# Altium PCB HIVE_BOARD.PcbDoc (part 5 of 9)
Units mil, origin at the board's own origin, x right, y up, seen from the top; angles counter-clockwise.
Board outline 4330.71 x 4330.71 mil, 8 copper layers (Top, GND_1, Signal_1, GND_2, PWR, Signal_2, GND_3, Bottom), stack 62.994 mil thick; 660 components, 468 nets, 2497 pads, 1806 vias.
Unrouted connection lines stored in the file: 30.
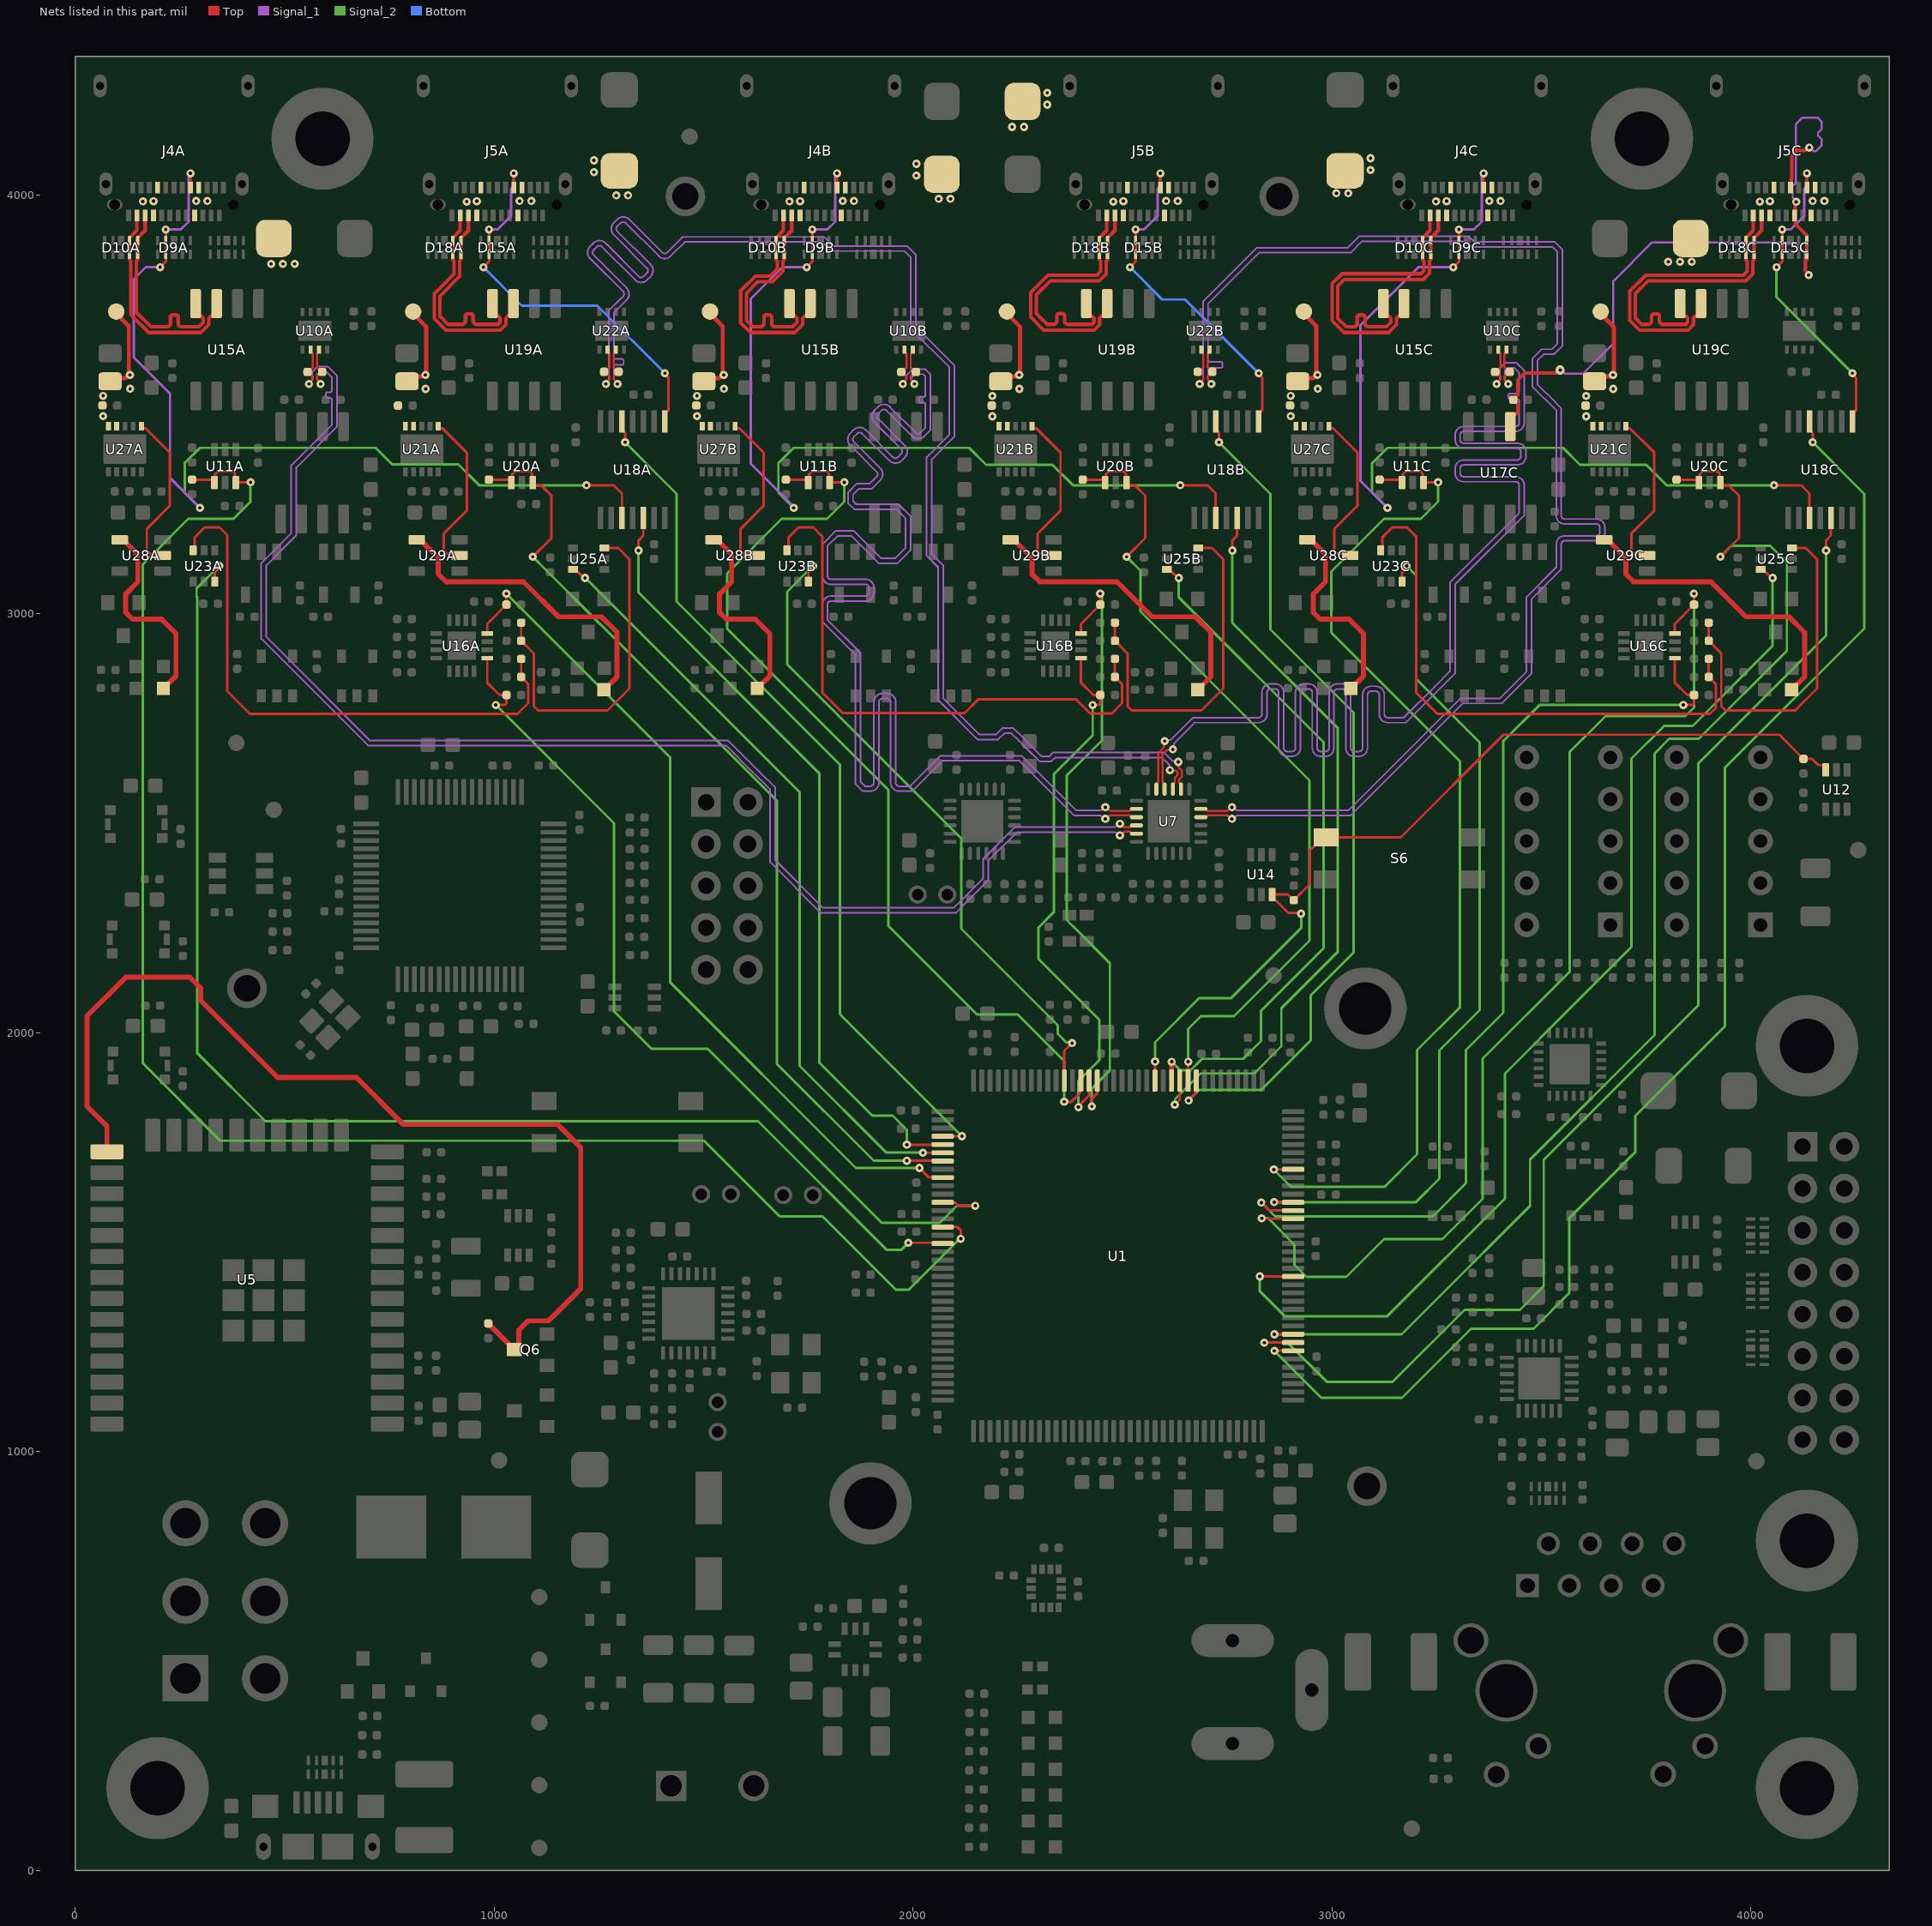
[diagram p11: the nets of this part, all layers, seen from the top]

## Via types
v1: diameter 19.68, hole 7.87, Top to Bottom, tented both sides, 1753 vias
v2: diameter 19.68, hole 7.87, Top to Bottom, 41 vias
v3: diameter 21.65, hole 7.87, Top to Bottom, tented both sides, 7 vias
v4: diameter 19.68, hole 7.87, Top to Bottom, tented bottom, 5 vias

## Nets (pads, with @x,y where several pads share a name; then routed paths per layer and width w, separated by ;. In a path a pad name is that pad's centre, name@x,y a point inside that pad or via, vN(x,y) a via of type N, cw(c..) or ccw(c..) an arc to the next point about the centre after c; other vN are vias at no path point) (continued)
BB_SPI_MISO_1C_P: D15C.1 D15C.10 J5C.A6 J5C.B6 R103C.1 U17C.2 | length 1809
  Top w8.5: U17C.2@3425.58,3446.52 3425.58,3468.18 3434.13,3476.72 3438.85,3476.72 3443.83,3481.7 3443.83,3499.69 R103C.1@3432.91,3510.59 3443.66,3521.31 3443.66,3557.72 3460.5,3574.55 3534.27,3574.55 3541.35,3581.63 v3(3544.91,3581.63) ; J5C.B6@4094.49,4017.32 4096.14,4018.97 4096.14,4037 4097.58,4038.44 4097.58,4066.7 4097.39,4066.88 4097.39,4092.51 4110.28,4105.4 4128.81,4105.4 4135.89,4112.47 v1(4139.45,4112.47) ; v1(4108.31,3983) 4105.99,3980.68 4105.99,3952.04 J5C.A6@4104.33,3950.39 4105.97,3948.75 4105.97,3930.64 4133.85,3902.75 D15C.10@4133.86,3857.58 ; 4133.85,3844.58 D15C.10@4133.86,3857.58 ; v1@4137.84,3811.8 4130.76,3818.87 4130.76,3833.71 4130.76,3841.78 4133.54,3844.56 4133.54,3857.27 D15C.10@4133.86,3857.58
  Signal_1 w5: v3(3544.91,3581.63) 3547.59,3581.63 3556.16,3573.05 3599.79,3573.05 3671.81,3645.07 3671.81,3793.69 3764.41,3886.29 4102.14,3886.29 4129.26,3859.17 4129.26,3818.51 4137.84,3809.93 v1(4137.84,3808.24) ; v1(4108.31,3983) 4108.31,3984.7 4099.74,3993.28 4099.74,4020.12 4107.28,4027.66 4107.28,4168.37 4123.21,4184.3 4158.83,4184.3 4169.28,4173.86 4169.28,4156.36 4164.78,4151.86 4164.72,4151.86 4160.22,4147.36 4160.22,4141.36 4164.72,4136.86 4164.78,4136.86 4169.28,4132.36 4169.28,4117.78 4155.4,4103.9 4149.72,4103.9 4141.14,4112.47 v1(4139.45,4112.47)
BB_SPI_MOSI_0A_N: D10A.1 D10A.10 J4A.A10 U15A.8 | length 517.8
  Top w8.5: J4A.A10@167.31,3950.38 167.31,3914.72 149.61,3897.01 D10A.1@149.61,3890.45 D10A.10@149.61,3857.58 149.29,3857.27 149.29,3844.55 146.51,3841.77 146.51,3719.34 181.1,3684.75 188.97,3684.75 219.23,3684.75 ccw(c219.23,3693.25) 227.73,3693.25 227.73,3707.6 cw(c233.28,3707.6) 233.28,3713.15 240.68,3713.15 cw(c240.68,3707.6) 246.23,3707.6 246.23,3693.25 ccw(c254.73,3693.25) 254.73,3684.75 277.48,3684.75 295.35,3684.75 306.07,3695.48 306.07,3705.07 301.09,3710.05 296.37,3710.05 287.82,3718.6 U15A.8@287.82,3740.25
BB_SPI_MOSI_0A_P: D10A.2 D10A.9 J4A.A11 U15A.7 | length 517.8
  Top w8.5: J4A.A11@147.63,3950.38 147.63,3914.72 129.92,3897.01 D10A.2@129.92,3890.45 D10A.9@129.92,3857.58 130.23,3857.27 130.23,3844.55 133.01,3841.77 133.01,3713.74 175.51,3671.25 300.94,3671.25 319.57,3689.88 319.57,3705.07 324.55,3710.05 329.28,3710.05 337.82,3718.6 U15A.7@337.82,3740.25
BB_SPI_MOSI_0B_N: D10B.1 D10B.10 J4B.A10 U15B.8 | length 547.6
  Top w8.5: U15B.8@1705.15,3740.25 1705.15,3718.6 1713.69,3710.05 1718.42,3710.05 1723.4,3705.07 1723.4,3695.48 1712.67,3684.75 1694.02,3684.75 1671.27,3684.75 cw(c1671.27,3693.25) 1662.77,3693.25 1662.77,3707.6 ccw(c1657.22,3707.6) 1657.22,3713.15 1649.82,3713.15 ccw(c1649.82,3707.6) 1644.27,3707.6 1644.27,3693.25 cw(c1635.77,3693.25) 1635.77,3684.75 1617.61,3684.75 1602.39,3699.97 1602.39,3765.03 1629.51,3792.15 1664.93,3792.15 1689.82,3817.04 1689.82,3841.79 1692.6,3844.57 1692.6,3857.28 1692.92,3857.59 1692.92,3897.03 1710.63,3914.74 J4B.A10@1710.63,3950.4
BB_SPI_MOSI_0B_P: D10B.2 D10B.9 J4B.A11 U15B.7 | length 547.6
  Top w8.5: J4B.A11@1690.94,3950.4 1690.94,3914.74 1673.23,3897.03 1673.23,3857.59 1673.54,3857.28 1673.54,3844.57 1676.32,3841.79 1676.32,3822.64 1659.34,3805.65 1623.92,3805.65 1588.89,3770.62 1588.89,3694.38 1612.02,3671.25 1718.26,3671.25 1736.9,3689.88 1736.9,3705.07 1741.88,3710.05 1746.6,3710.05 1755.15,3718.6 U15B.7@1755.15,3740.25
BB_SPI_MOSI_0C_N: D10C.1 D10C.10 J4C.A10 U15C.8 | length 694.5
  Top w8.5: U15C.8@3122.47,3740.25 3122.47,3718.6 3131.01,3710.05 3135.74,3710.05 3140.72,3705.07 3140.72,3695.48 3130,3684.75 3110.33,3684.75 3087.58,3684.75 cw(c3087.58,3693.25) 3079.08,3693.25 3079.08,3707.6 ccw(c3073.53,3707.6) 3073.53,3713.15 3066.13,3713.15 ccw(c3066.13,3707.6) 3060.58,3707.6 3060.58,3693.25 cw(c3052.08,3693.25) 3052.08,3684.75 3034.04,3684.75 3014.24,3704.55 3014.24,3782.49 3029.63,3797.88 3218.12,3797.88 3233.13,3812.9 3233.13,3841.78 3235.91,3844.56 3235.91,3857.27 D10C.10@3236.22,3857.58 3236.23,3897.02 3253.94,3914.73 J4C.A10@3253.94,3950.39
BB_SPI_MOSI_0C_P: D10C.2 D10C.9 J4C.A11 U15C.7 | length 694.5
  Top w8.5: U15C.7@3172.47,3740.25 3172.47,3718.6 3163.92,3710.05 3159.2,3710.05 3154.22,3705.07 3154.22,3689.88 3135.59,3671.25 3028.45,3671.25 3000.74,3698.96 3000.74,3788.08 3024.04,3811.38 3212.52,3811.38 3219.63,3818.49 3219.63,3841.78 3216.85,3844.56 3216.85,3857.27 D10C.9@3216.54,3857.58 3216.54,3897.02 3234.25,3914.73 J4C.A11@3234.25,3950.39
BB_SPI_MOSI_1A_N: D18A.1 D18A.10 J5A.A10 U19A.8 | length 509.4
  Top w8.5: D18A.1@920.95,3890.77 D18A.1@921.26,3890.45 D18A.10@921.26,3857.58 920.95,3857.27 920.95,3844.55 918.17,3841.77 918.17,3805.32 870.72,3757.88 870.72,3710.2 890.43,3690.5 897.68,3690.5 923.31,3690.5 ccw(c923.31,3699) 931.81,3699 931.81,3709.84 cw(c937.36,3709.84) 937.36,3715.39 944.76,3715.39 cw(c944.76,3709.84) 950.31,3709.84 950.31,3699 ccw(c958.81,3699) 958.81,3690.5 981.56,3690.5 1009.76,3690.5 1014.74,3695.48 1014.74,3705.07 1009.76,3710.05 1005.03,3710.05 996.49,3718.6 U19A.8@996.49,3740.25 ; D18A.1@921.26,3897.01 938.97,3914.72 J5A.A10@938.97,3950.38
BB_SPI_MOSI_1A_P: D18A.2 D18A.9 J5A.A11 U19A.7 | length 509.4
  Top w8.5: D18A.9@901.57,3857.58 D18A.2@901.57,3890.45 D18A.2@901.89,3890.77 ; D18A.2@901.58,3897.01 919.28,3914.72 J5A.A11@919.28,3950.38 ; D18A.9@901.89,3850.71 901.89,3844.55 904.67,3841.77 904.67,3810.92 857.22,3763.47 857.22,3704.61 884.84,3677 1015.35,3677 1028.24,3689.88 1028.24,3705.07 1033.21,3710.05 1037.94,3710.05 1046.49,3718.6 U19A.7@1046.49,3740.25
BB_SPI_MOSI_1B_N: D18B.1 D18B.10 J5B.A10 U19B.8 | length 618.8
  Top w8.5: U19B.8@2413.81,3740.25 2413.81,3718.6 2422.35,3710.05 2427.08,3710.05 2432.06,3705.07 2432.06,3695.48 2427.08,3690.5 2393.19,3690.5 2370.44,3690.5 cw(c2370.44,3699) 2361.94,3699 2361.94,3710.69 ccw(c2356.39,3710.69) 2356.39,3716.24 2348.99,3716.24 ccw(c2348.99,3710.69) 2343.44,3710.69 2343.44,3699 cw(c2334.94,3699) 2334.94,3690.5 2320.66,3690.5 2305.29,3705.87 2294.55,3716.61 2294.55,3761.2 2327.97,3794.62 2444.82,3794.62 2461.48,3811.28 2461.48,3841.79 2464.26,3844.57 2464.26,3857.28 2464.57,3857.59 2464.57,3890.47 D18B.1@2464.26,3890.78 ; D18B.1@2464.57,3897.03 2482.28,3914.74 J5B.A10@2482.28,3950.4
BB_SPI_MOSI_1B_P: D18B.2 D18B.9 J5B.A11 U19B.7 | length 618.8
  Top w8.5: D18B.9@2444.88,3857.59 D18B.2@2444.88,3890.45 D18B.2@2445.2,3890.78 ; D18B.2@2444.89,3897.03 2462.6,3914.74 J5B.A11@2462.6,3950.4 ; D18B.9@2445.2,3850.72 2445.2,3844.57 2447.98,3841.79 2447.98,3816.87 2439.23,3808.12 2322.38,3808.12 2281.05,3766.79 2281.05,3708.11 2312.16,3677 2432.67,3677 2445.56,3689.88 2445.56,3705.07 2450.54,3710.05 2455.26,3710.05 2463.81,3718.6 U19B.7@2463.81,3740.25
BB_SPI_MOSI_1C_N: D18C.1 D18C.10 J5C.A10 U19C.8 | length 726
  Top w8.5: U19C.8@3831.13,3740.25 3831.13,3718.6 3839.68,3710.05 3844.4,3710.05 3849.38,3705.07 3849.38,3695.48 3844.4,3690.5 3813.08,3690.5 3790.33,3690.5 cw(c3790.33,3699) 3781.83,3699 3781.83,3709.84 ccw(c3776.28,3709.84) 3776.28,3715.39 3768.88,3715.39 ccw(c3768.88,3709.84) 3763.33,3709.84 3763.33,3699 cw(c3754.83,3699) 3754.83,3690.5 3739.87,3690.5 3724.45,3705.91 3724.45,3764.23 3754.84,3794.61 3988.13,3794.61 4004.79,3811.27 4004.79,3841.78 4007.57,3844.56 4007.57,3857.27 D18C.10@4007.87,3857.58 D18C.1@4007.87,3890.45 D18C.1@4007.57,3890.77 ; D18C.1@4007.88,3897.02 4025.59,3914.73 J5C.A10@4025.59,3950.39
BB_SPI_MOSI_1C_P: D18C.2 D18C.9 J5C.A11 U19C.7 | length 726
  Top w8.5: U19C.7@3881.13,3740.25 3881.13,3718.6 3872.59,3710.05 3867.86,3710.05 3862.88,3705.07 3862.88,3689.88 3849.99,3677 3734.28,3677 3710.95,3700.32 3710.95,3769.82 3749.25,3808.11 3982.54,3808.11 3991.29,3816.86 3991.29,3841.78 3988.51,3844.56 D18C.9@3988.51,3850.71 ; D18C.9@3988.19,3857.58 D18C.2@3988.19,3890.45 D18C.2@3988.51,3890.77 ; D18C.2@3988.2,3897.02 4005.91,3914.73 J5C.A11@4005.91,3950.39
BB_SPI_nCS_0A: D9A.4 D9A.7 J4A.B8 U18A.3 | length 2278.7
  Top w6: v1(203,3827) 216.52,3840.52 D9A.7@216.52,3857.58 D9A.4@216.52,3890.45 v1(216.52,3917.13) ; J4A.B8@275.58,4017.31 v1(275.58,4051.07) ; v1(1220.66,3306.61) 1285.39,3306.61 1305.31,3286.69 U18A.3@1305.31,3228.34
  Signal_1 w6: v1(203,3827) 168.7,3827 140.12,3798.41 140.12,3611.88 226.57,3525.43 226.57,3324.17 v1(298.04,3252.7) ; v1(216.52,3917.13) 252.16,3917.13 271,3935.96 271,4042.79 275.58,4047.37 v1(275.58,4051.07)
  Signal_2 w6: v1(298.04,3252.7) 261.58,3289.17 261.58,3359.25 298.15,3395.82 717.14,3395.82 756.6,3356.37 914.73,3356.37 964.5,3306.61 v1(1220.66,3306.61)
BB_SPI_nCS_0B: D9B.4 D9B.7 J4B.B8 U18B.3 | length 2298.7
  Top w6: v1(1746.31,3827.01) 1759.83,3840.54 v1(1759.83,3917.14) ; J4B.B8@1818.89,4017.33 v1(1818.89,4051.08) ; v1(2637.99,3306.61) 2702.71,3306.61 2722.63,3286.69 U18B.3@2722.63,3228.34
  Signal_1 w6: v1(1715.36,3252.7) 1715.36,3255.64 1612.94,3358.06 1612.94,3751.46 1688.49,3827.01 v1(1746.31,3827.01) ; v1(1759.83,3917.14) 1795.47,3917.14 1814.31,3935.98 1814.31,4042.8 1818.89,4047.38 v1(1818.89,4051.08)
  Signal_2 w6: v1(1715.36,3252.7) 1678.9,3289.17 1678.9,3359.25 1715.47,3395.82 2134.47,3395.82 2174.62,3355.67 2332.76,3355.67 2381.82,3306.61 v1(2637.99,3306.61)
BB_SPI_nCS_0C: D9C.4 D9C.7 J4C.B8 U18C.3 | length 2334.4
  Top w6: v1(3289.62,3827) 3303.14,3840.53 v1(3303.14,3917.13) ; J4C.B8@3362.2,4017.32 v1(3362.2,4051.07) ; v1(4055.31,3306.61) 4120.04,3306.61 4139.95,3286.69 U18C.3@4139.95,3228.34
  Signal_1 w6: v1(3132.69,3252.7) 3067.83,3317.56 3067.83,3688.08 3206.75,3827 v1(3289.62,3827) ; v1(3303.14,3917.13) 3338.78,3917.13 3357.62,3935.97 3357.62,4042.79 3362.2,4047.37 v1(3362.2,4051.07)
  Signal_2 w6: v1(3132.69,3252.7) 3096.22,3289.17 3096.22,3359.25 3132.8,3395.82 3551.79,3395.82 3591.99,3355.62 3750.13,3355.62 3799.14,3306.61 v1(4055.31,3306.61)
BB_SPI_nCS_1A: D15A.4 D15A.7 J5A.B8 U18A.8 | length 961.7
  Top w6: v1(974.66,3827) 988.19,3840.52 D15A.7@988.19,3857.58 v1(988.18,3917.13) ; J5A.B8@1047.24,4017.31 v1(1047.23,4051.07) ; U18A.8@1407.67,3458.65 1407.67,3478.34 1411.56,3482.23 1413.21,3482.23 1416.72,3485.74 1416.72,3562.66 1408,3571.38 v1(1408,3574)
  Signal_1 w6: v1(988.18,3917.13) 1008.73,3917.13 1041,3949.4 1041,4013.88 1047.23,4020.11 v1(1047.23,4051.07)
  Bottom w6: v1(974.66,3827) 1066.3,3735.36 1246.64,3735.36 v1(1408,3574)
BB_SPI_nCS_1B: D15B.4 D15B.7 J5B.B8 U18B.8 | length 835.8
  Top w6: v1(2517.97,3827.01) 2531.5,3840.54 D15B.7@2531.5,3857.59 ; D15B.7@2531.49,3857.59 v1(2531.49,3917.14) ; J5B.B8@2590.55,4017.33 v1(2590.54,4051.08) ; U18B.8@2824.99,3458.65 2824.99,3478.34 2828.88,3482.23 2830.53,3482.23 2834.05,3485.74 2834.05,3562.66 2825.32,3571.38 v1(2825.32,3574)
  Signal_1 w6: v1(2531.49,3917.14) 2552.04,3917.14 2584.31,3949.41 2584.31,4013.89 2590.54,4020.13 v1(2590.54,4051.08)
  Bottom w6: v1(2517.97,3827.01) 2595,3749.99 2649.33,3749.99 v1(2825.32,3574)
BB_SPI_nCS_1C: D15C.4 D15C.7 J5C.B8 U18C.8 | length 751.7
  Top w6: v1(4061.29,3827) 4074.81,3840.53 D15C.7@4074.8,3857.58 v1(4074.8,3917.13) ; J5C.B8@4133.86,4017.32 v1(4133.85,4051.07) ; U18C.8@4242.32,3458.65 4242.32,3478.34 4246.21,3482.23 4247.85,3482.23 4251.37,3485.74 4251.37,3562.66 4242.65,3571.38 v1(4242.65,3574)
  Signal_1 w6: v1(4074.8,3917.13) 4095.35,3917.13 4127.62,3949.4 4127.62,4013.88 4133.85,4020.12 v1(4133.85,4051.07)
  Signal_2 w6: v1(4061.29,3827) 4061.29,3755.36 v1(4242.65,3574)
BB_VIN_0A: C141A.2 D11A.1 J4A.A4 J4A.A9 J4A.B4 J4A.B9 R151A.1 TP6A.1 U27A.9 U27A.10 | length 216.8
  Top w10: C141A.2@83.65,3554.52 91.22,3562.09 120.3,3562.09 128.47,3570.26 128.47,3686.06 TP6A.1@93.34,3721.19
  other v1: 67.04,3471.44 67,3520 131.55,3536.91 131,3570 467.87,3835 496,3835 524.13,3835 162,3984 187.26,3984.5 289,3985 316,3985
BB_VIN_0B: C141B.2 D11B.1 J4B.A4 J4B.A9 J4B.B4 J4B.B9 R151B.1 TP6B.1 U27B.9 U27B.10 | length 216.8
  Top w10: C141B.2@1500.98,3554.52 1508.54,3562.09 1537.62,3562.09 1545.79,3570.26 1545.79,3686.06 TP6B.1@1510.66,3721.19
  other v1: 1484.36,3471.44 1484.32,3520 1548.88,3536.91 1548.32,3570 1705.31,3984.01 1730.57,3984.51 1832.31,3985.01 1859.31,3985.01 2061.42,3990.15 2089.55,3990.15 2008.12,4045.66 2008.12,4073.79
BB_VIN_0C: C141C.2 D11C.1 J4C.A4 J4C.A9 J4C.B4 J4C.B9 R151C.1 TP6C.1 U27C.9 U27C.10 | length 215.3
  Top w10: C141C.2@2918.3,3554.52 2925.86,3562.09 2954.94,3562.09 2963.12,3570.26 2963.12,3686.06 TP6C.1@2929.09,3720.09
  other v1: 2901.68,3471.44 2901.65,3520 2966.2,3536.91 2965.65,3570 3248.62,3984 3273.88,3984.5 3375.62,3985 3402.62,3985 3010.73,4003.42 3038.86,4003.42 3092.17,4058.93 3092.17,4087.07
BB_VIN_1A: C127A.2 D16A.1 J5A.A4 J5A.A9 J5A.B4 J5A.B9 R152A.1 TP7A.1 U21A.9 U21A.10 | length 219.2
  Top w10: C127A.2@792.31,3554.52 804.13,3566.34 830.28,3566.34 833.67,3569.72 838.44,3569.72 838.14,3570.02 838.14,3574.2 838.44,3574.49 838.44,3684.75 TP7A.1@802,3721.19
  other v1: 836.84,3536.63 836.29,3569.72 934.96,3983.59 958.92,3984.5 1061,3985 1089,3985 1291.84,3998.42 1319.97,3998.42 1238.53,4053.93 1238.53,4082.06
BB_VIN_1B: C127B.2 D16B.1 J5B.A4 J5B.A9 J5B.B4 J5B.B9 R152B.1 TP7B.1 U21B.9 U21B.10 | length 219.2
  Top w10: C127B.2@2209.64,3554.52 2221.45,3566.34 2247.61,3566.34 2250.99,3569.72 2255.76,3569.72 2255.47,3570.02 2255.47,3574.2 2255.76,3574.49 2255.76,3684.75 TP7B.1@2219.32,3721.19
  other v1: 2189.65,3471.17 2189.61,3519.72 2254.17,3536.63 2253.61,3569.72 2478.27,3983.6 2502.23,3984.51 2604.31,3985.01 2632.31,3985.01 2236.78,4161.92 2264.91,4161.92 2320.43,4215.23 2320.43,4243.36
BB_VIN_1C: C127C.2 D16C.1 J5C.A4 J5C.A9 J5C.B4 J5C.B9 R152C.1 TP7C.1 U21C.9 U21C.10 | length 219.2
  Top w10: C127C.2@3626.96,3554.52 3638.77,3566.34 3664.93,3566.34 3668.32,3569.72 3673.09,3569.72 3672.79,3570.02 3672.79,3574.2 3673.09,3574.49 3673.09,3684.75 TP7C.1@3636.64,3721.19
  other v1: 3606.97,3471.17 3606.94,3519.72 3671.49,3536.63 3670.94,3569.72 3802.73,3840 3830.87,3840 3859,3840 4021.58,3983.59 4045.54,3984.5 4147.62,3985 4175.62,3985
BOOT_MODE: Q6.3 R92.1 U5.25 | length 2379.9
  Top w12: U5.25@76.06,1715.7 76.06,1776.53 28.5,1824.08 28.5,2039.66 121.04,2132.21 274.1,2132.21 300.01,2106.3 300.01,2076.5 483.21,1893.3 671.14,1893.3 783.53,1780.9 1151.53,1780.9 1207,1725.43 1207,1388.96 1130.2,1312.16 1081.16,1312.16 1058.89,1289.89 Q6.3@1058.89,1253.01 ; R92.1@986.28,1305.77 Q6.3@1036.44,1255.61
CH_CL_PWR_EN: R96.2 R98.2 S6.3 U1.86 U12.3 U14.3 | length 2256.7
  Top w6: U1.86@2577.8,1885.4 2577.9,1885.5 2577.9,1930.9 v1(2578,1931) ; v1(2926.53,2283.98) 2924.47,2286.04 2895.68,2286.04 2864.66,2317.05 2862.17,2317.05 2857.29,2321.93 U14.3@2857.29,2329.8 2895.39,2329.8 R98.2@2909.13,2316.05 2947.45,2354.37 2947.45,2434.97 2978.43,2465.96 S6.3@2986.31,2465.96 3164.2,2465.96 3409.36,2711.12 4067.85,2711.12 R96.2@4125.61,2653.36 4146.43,2653.36 4161.31,2638.49 4173.78,2638.49 4178.66,2633.61 U12.3@4178.66,2627.32
  Signal_2 w6: v1(2578,1931) 2578,1977.16 2683.54,2082.7 2759.6,2082.7 2926.53,2249.63 v1(2926.53,2283.98)
CHAN_DET_0A: R113A.2 U1.120 U16A.13 | length 2181.7
  Top w6: U16A.13@984,2893.94 984,2835.14 1013.3,2805.84 R113A.2@1029.78,2805.84 1029.78,2785.68 1026.26,2782.17 v1(1004.28,2782.17) ; U1.120@2070.91,1595.05 2072.11,1593.85 2101.19,1593.85 2108.33,1586.72 v1(2148.86,1586.72)
  Signal_2 w6: v1(1004.28,2782.17) 1286.42,2500.02 1286.42,2051.07 1375.54,1961.96 1509.42,1961.96 1925.31,1546.07 2064.21,1546.07 2104.85,1586.72 v1(2148.86,1586.72)
CHAN_DET_0B: R113B.2 U1.94 U16B.13 | length 1324.3
  Top w6: v1@2397.59,1821.99 2400.58,1824.99 2400.58,1830.09 2420.32,1849.83 U1.94@2420.32,1885.4 ; U16B.13@2401.32,2893.94 2401.32,2835.14 2430.62,2805.84 R113B.2@2447.1,2805.84 2447.1,2785.68 2443.42,2782 v1(2429,2782)
  Signal_2 w6: v1(2395,1822) 2395,1884.46 2445.34,1934.8 2445.34,2030.13 2299.45,2176.02 2299.45,2250.73 2336.04,2287.33 2336.04,2616.63 2429,2709.59 v1(2429,2782)
CHAN_DET_0C: R113C.2 U1.60 U16C.13 | length 2339.9
  Top w6: v1(2831.62,1594.43) 2850.69,1575.37 U1.60@2907.53,1575.37 ; U16C.13@3818.65,2893.94 3818.65,2835.14 3847.95,2805.84 R113C.2@3864.42,2805.84 3864.42,2785.68 3860.91,2782.17 v1(3838.92,2782.17)
  Signal_2 w6: v1(2831.62,1594.43) 2864.43,1561.62 3240.85,1561.62 3320,1640.77 3320,1958.26 3409.25,2047.51 3409.25,2695.88 3495.37,2781.99 3838.75,2781.99 v1(3838.92,2782.17)
CHAN_DET_1A: R124A.2 U1.117 U16A.16 | length 2047.3
  Top w6: U16A.16@984,2953 984,2975.87 R124A.2@1029.78,3021.65 1029.69,3021.74 1029.69,3047.91 v1(1029.61,3048) ; v1(2015.42,1676.93) 2038.24,1654.11 U1.117@2070.91,1654.11
  Signal_2 w6: v1(1029.61,3048) 1420.15,2657.45 1420.15,2120.47 1863.7,1676.93 v1(2015.42,1676.93)
CHAN_DET_1B: R124B.2 U1.93 U16B.16 | length 1498.7
  Top w6: U16B.16@2401.32,2953 2401.32,2975.87 R124B.2@2447.1,3021.65 2447.01,3021.74 2447.01,3047.91 v1(2446.93,3048) ; v1(2426.89,1823.89) 2426.89,1841.89 2439.47,1854.47 2439.47,1884.87 U1.93@2440.01,1885.4
  Signal_2 w6: v1@2426.78,1826.89 2426.78,1866.46 2469.96,1909.64 2469.96,2165.86 2392.01,2243.82 2367.33,2268.49 2367.33,2614.02 2450.83,2697.52 2450.83,3044.1 v1(2446.93,3048)
CHAN_DET_1C: R124C.2 U1.59 U16C.16 | length 2645.5
  Top w6: v1@2833.72,1555.78 U1.59@2907.43,1555.78 ; U16C.16@3818.65,2953 3818.65,2975.87 R124C.2@3864.42,3021.65 3864.34,3021.74 3864.34,3047.91 v1(3864.25,3048)
  Top w12: v1(2832.65,1556.85) v1@2833.72,1555.78 ; U1.59@2907.43,1555.78 U1.59@2907.53,1555.68
  Signal_2 w6: v1(2832.65,1556.85) 2848.12,1556.85 2910.85,1494.12 2910.85,1445.51 2939.47,1416.89 3034.26,1416.89 3124.57,1507.2 3263.67,1507.2 3360,1603.53 3360,1937.94 3567.99,2145.94 3567.99,2670.62 3653.29,2755.91 3843.94,2755.91 3864.25,2776.23 v1(3864.25,3048)
CHAN_EN_0A: U1.125 U23A.6 | length 3208.7
  Top w6: U23A.6@333.16,3076.43 333.16,3098.85 343.9,3109.59 v1(343.9,3113.83) ; v1(1989.06,1498.38) 2069.16,1498.38 U1.125@2070.91,1496.63
  Signal_2 w6: v1(343.9,3113.83) 290.16,3060.08 290.16,3041.02 291.95,3039.24 291.95,1950.64 454.1,1788.48 1630.27,1788.48 1936.9,1481.86 1972.54,1481.86 v1(1989.06,1498.38)
CHAN_EN_0B: U1.97 U23B.6 | length 1592.4
  Top w6: U23B.6@1750.48,3076.43 1750.48,3098.85 1761.23,3109.59 v1(1761.23,3113.83) ; U1.97@2361.27,1885.4 2361.27,1956.27 v1(2380,1975)
  Signal_2 w6: v1(1761.23,3113.83) 1699.94,3052.54 1699.94,2878.88 2115.18,2463.64 2115.18,2247.96 2345.36,2017.78 2345.36,1997.19 2365.77,1976.78 2378.22,1976.78 v1(2380,1975)
CHAN_EN_0C: U1.61 U23C.6 | length 2079.2
  Top w6: v1(2862.26,1595.49) 2862.48,1595.27 2907.31,1595.27 U1.61@2907.53,1595.05 ; U23C.6@3167.81,3076.43 3167.81,3098.85 3178.55,3109.59 v1(3178.55,3113.83)
  Signal_2 w6: v1(2862.26,1595.49) 3200.59,1595.49 3256.68,1651.58 3256.68,1957.54 3352.86,2053.72 3352.86,2692.61 3201.74,2843.73 3201.74,3090.63 v1(3178.55,3113.83)
CHAN_EN_1A: U1.114 U25A.6 | length 1841.2
  Top w6: U25A.6@1188.99,3105.53 1194.26,3100.26 1199.82,3100.26 1214.81,3085.27 v1(1217.23,3085.27) ; v1(2023.76,1713.49) 2023.93,1713.33 2070.74,1713.33 U1.114@2070.91,1713.16
  Signal_2 w6: v1(1217.23,3085.27) 1218.28,3085.27 1729.68,2573.87 1729.68,1920.79 1936.98,1713.49 v1(2023.76,1713.49)
CHAN_EN_1B: U1.84 U25B.6 | length 1642.1
  Top w6: U25B.6@2606.31,3105.53 2611.58,3100.26 2617.14,3100.26 2632.13,3085.27 v1(2634.55,3085.27)
  Top w12: U1.84@2617.39,1885.62 v1@2617.39,1930.45
  Signal_2 w6: v1(2617.61,1930.67) 2637.79,1910.48 2663.01,1910.48 2689.99,1937.46 2788.13,1937.46 2830.68,1980 2830.68,2052.04 2980.32,2201.68 2980.32,2693.1 2634.55,3038.87 v1(2634.55,3085.27)
CHAN_EN_1C: U1.52 U25C.6 | length 2646.7
  Top w6: v1(2828,1418) U1.52@2891.25,1418.06 ; U25C.6@4023.64,3105.53 4028.9,3100.26 4034.46,3100.26 4049.45,3085.27 v1(4051.87,3085.27)
  Signal_2 w6: v1(2828,1418) 2828,1382.67 2887.36,1323.31 3132.31,1323.31 3412.83,1603.83 3412.83,1902.31 3580.44,2069.93 3715.19,2204.68 3715.19,2654.22 3793.23,2732.26 3861.1,2732.26 4051.87,2923.03 v1(4051.87,3085.27)